# Altium PCB P-MT3620RDB-1-7.PcbDoc (part 1 of 4) (continued)
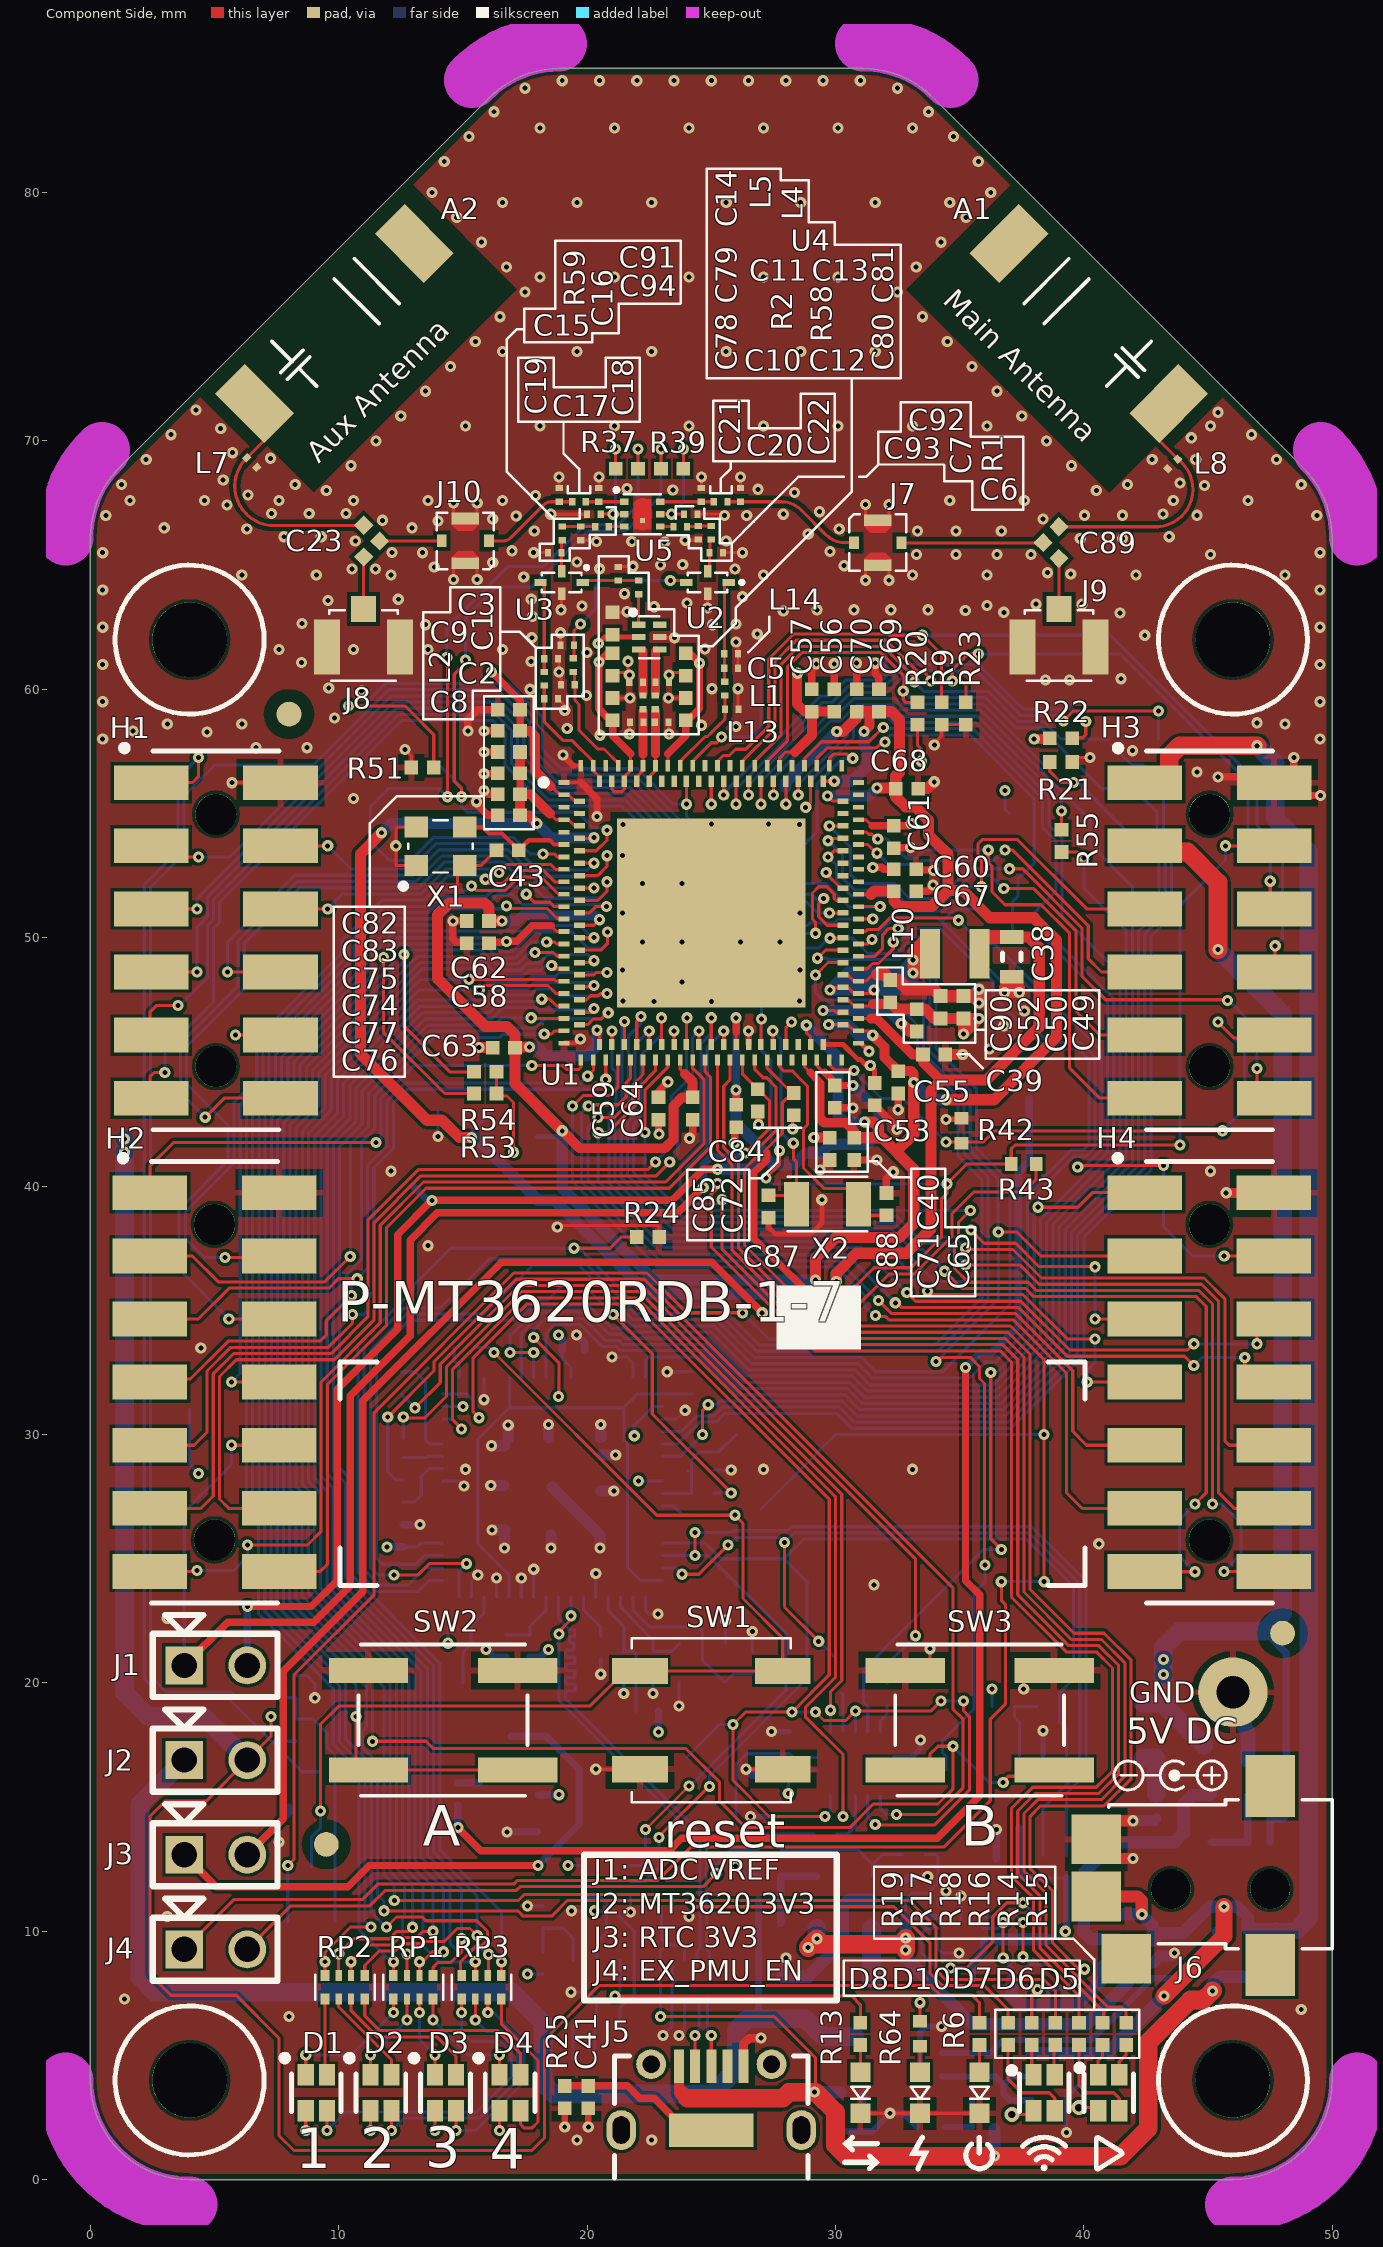
[diagram p0: Component Side view]
## Footprints (in the part's own frame and the unit in brackets; to place one, negate y for a bottom-side part, rotate by r counter-clockwise, add the part's x,y. Pads: shape width x height; smd on the part's side, far side on the other; paste and mask are expansions set on the pad) (continued)
TSM-106-01-L-DV-A [mm]
  round 1.65 hole 1.65 unplated: 0(-5.069,0.057) 0(5.091,0.057)
  rect 1.4x3 smd: 1(-6.339,-2.543) 2(-6.339,2.657) 3(-3.799,-2.543) 4(-3.799,2.657) 5(-1.259,-2.543) 6(-1.259,2.657) 7(1.281,-2.543) 8(1.281,2.657) 9(3.821,-2.543) 10(3.821,2.657) 11(6.361,-2.543) 12(6.361,2.657)
  silkscreen extent -7.86,-3.75 7.63,2.6, body extent -7.99,-4.29 7.78,4.4, height 1.27
TSM-107-01-L-DV-A [mm]
  round 1.65 hole 1.65 unplated: 0(-7.62,0) 0(5.08,0)
  rect 1.4x3 smd: 1(-8.89,-2.6) 2(-8.89,2.6) 3(-6.35,-2.6) 4(-6.35,2.6) 5(-3.81,-2.6) 6(-3.81,2.6) 7(-1.27,-2.6) 8(-1.27,2.6) 9(1.27,-2.6) 10(1.27,2.6) 11(3.81,-2.6) 12(3.81,2.6) 13(6.35,-2.6) 14(6.35,2.6)
  silkscreen extent -10.41,-3.81 7.62,2.54, body extent -10.54,-4.34 7.77,4.34, height 1.27
"TXC 8Z" [mm] "2.5x2.0mm SMD xtal"
  rect 1x0.9 smd: 1(-0.925,-0.775) 2(0.925,-0.775) 3(0.925,0.775) 4(-0.925,0.775)
  silkscreen extent -1.25,-1 1.2,1, body extent -1.53,-1.33 1.53,1.33, height 1.27
U.FL-R-SMT-1(10) [mm] "UFL Connector"
  rect 1x1.05 smd: 1(0,-1.525)
  rect 1.05x2.2 smd: 2(-1.475,0) 3(1.475,0)
  silkscreen extent -1.37,-1.47 1.37,1.35, body extent -2.23,-2.23 2.23,1.4, height 1.27
VISHAY-0603 [mm]
  rect 0.8x0.8 smd: 1(-0.8,0) 2(0.8,0)
  body extent -1.3,-0.53 1.3,0.53, height 1.27
VISHAY_SOT-323 [mm]
  rect 0.56x0.65 smd: 1(-0.62,-0.95) 2(0.62,-0.95) 3(0,0.95)
  silkscreen extent -1.4,-1.3 1.1,0.7
W3006 [mm]
  rect 1.7x2.8 smd: 1(4.55,0) 2(-4.55,0)
  silkscreen extent -2.41,-1.27 2.92,1.27, body extent -5.55,-1.63 5.55,1.63, height 1.27

## Part data
1 2 3 4 5 6 7 8 9 10 11 12 13 14 15 16 17 18 19 20 21 22 23 24 25 26 27 28 29 30 31 32 33 34 35 36 37 38 39 40 41: "Test Point"
A1 A2: "W3006 Chip Antenna", Frequency (Center/Band)="2.4GHz, 5.5GHz", Frequency Group="UHF (2 GHz ~ 3 GHz), SHF (f > 4 GHz)", Frequency Range="2.4GHz ~ 2.483GHz, 5.15GHz ~ 5.85GHz", Manufacturer="Pulse Electronics Corporation", Power - Max=-, Supplier Part Number 1=553-1673-2-ND, Antenna Type=Chip, Applications="WLAN, Zigbee™", Category="RF/IF and RFID", ComponentLink1Description=http://productfinder.pulseeng.com/products/datasheets/W3006.pdf, ComponentLink1URL=http://productfinder.pulseeng.com/products/datasheets/W3006.pdf, Features=-, Gain="3.2dBi, 4.2dBi", Height (Max)="0.059\" (1.50mm)", Ingress Protection=-, Manufacturer Part Number=W3006, Mounting Type="Surface Mount", NoThermalRelief=ture, Number of Bands=2, Packaging="Tape & Reel (TR)", Part Status=Active, Pricing 1="1000=0.72505, 2000=0.67505, 5000=0.65004, 10000=0.62504 (GBP)", Return Loss="-8dB, -10dB", RoHS="RoHS Compliant", Stock 1=2000, Supplier 1=Digi-Key, Termination=Solder, VSWR=-
B1: "SMT CR2032 coin cell holder", Manufacturer=HARWIN, Manufacturer Part Number=S8421-45R, Operating Temperature="-40°C ~ 105°C", Supplier Part Number 1=2115305, Accessory Type="Coin Cell Holder", Battery Cell Size="Coin, 20.0mm", Battery Holder Mount=SMD, Battery Series=2032, Battery Sizes Accepted=20, Battery Terminals="Pressure Contact", Battery Type, Function="Coin Cell, Holder", Category="Battery Products", ComponentLink1Description=http://www.harwin.com/include/downloads/drawings/S8421R.PDF, ComponentLink1URL=http://www.harwin.com/include/downloads/drawings/S8421R.PDF, ComponentLink2Description=http://harwin.com/includes/pdfs/S8421R.pdf, ComponentLink2URL=http://harwin.com/includes/pdfs/S8421R.pdf, For Use With="CR2032 Coin Cell Batteries", Height Above Board="0.185\" (4.70mm)", Mounting Type="PCB, Surface Mount", No. of Batteries=1, Number of Cells=1, Pricing 1="1=1.45, 10=1.19, 25=0.98, 50=0.89, 100=0.78 (GBP)", Pricing 2="1=0.69, 10=0.619, 50=0.5498, 100=0.4811, 250=0.43988 (GBP)", RoHS=YES, Stock 1=522, Stock 2=3868, Style="Holder (Open)", Supplier 1=Farnell, Supplier 2=Digi-Key, Supplier Part Number 2=952-1737-1-ND, SVHC="No SVHC (20-Jun-2013)", Termination Style="SMD (SMT) Tab"
C1: library part GJM0335C1E8R2CB01D, "CAP CER 8.2PF 25V NP0 0201", Case/Package=0201, Case Code (Metric)=0603, Dielectric=C0G, Manufacturer=Murata, Max Operating Temperature=125°C, Min Operating Temperature=-55°C, Package Quantity=15000, Supplier Part Number 1=490-14540-1-ND, Voltage Rating=25V, Capacitance=8.2pF, Case Code (Imperial)=0201, ComponentLink1Description="http://www.mouser.com/ds/2/281/Murata GJM Series-1186094.pdf", ComponentLink1URL="http://www.mouser.com/ds/2/281/Murata GJM Series-1186094.pdf", Height=0.3mm, Length=0.024inch, Manufacturer Part Number=GJM0335C1E8R2CB01D, Mount="Surface Mount", Packaging="Tape and Reel", Pricing 1="1=0.1, 10=0.043, 100=0.0192, 500=0.0137, 1000=0.0108, 2500=0.0098, 5000=0.009 (USD)", Stock 1=3138, Supplier 1=Digi-Key, Termination=SMD/SMT, Thickness=0.013inch, Voltage Rating (DC)=25V, Weight=1.2E-05oz, Width=0.3mm
C2 C3 C6 C7 C8 C9 C18 C19 C21 C22: library part "1.2pF 0201 25V", "CAP CER 1.2PF 25V C0G 0201", Manufacturer="TDK Corporation", Manufacturer Part Number=C0603C0G1E1R2B, Operating Temperature="-55°C ~ 125°C", Package / Case="0201 (0603 Metric)", Ratings=-, Supplier Part Number 1=445-4594-1-ND, Temperature Coefficient="C0G, NP0", Tolerance=±0.1pF, Voltage - Rated=25V, Applications="General Purpose", Capacitance=1.2pF, Category=Capacitors, ComponentLink1Description=http://media.digikey.com/pdf/Data%20Sheets/TDK%20PDFs/C_Series_GeneralAppl_B11.pdf, ComponentLink1URL=http://media.digikey.com/pdf/Data%20Sheets/TDK%20PDFs/C_Series_GeneralAppl_B11.pdf, Features=-, Height - Seated (Max)=-, Lead Spacing=-, Lead Style=-, Mounting Type="Surface Mount, MLCC", NoThermalRelief=true, Packaging="Cut Tape (CT)", Pricing 1="1=0.07, 10=0.022, 100=0.0101, 250=0.00828, 500=0.00708, 1000=0.00552, 5000=0.0046 (GBP)", RoHS="RoHS Compliant", Size / Dimension="0.024\" L x 0.012\" W (0.60mm x 0.30mm)", Stock 1=891, Supplier 1=Digi-Key, Thickness (Max)="0.013\" (0.33mm)"
C4 C26: library part "33pF 0402 C0G, NP0 50V", "CAP CER 33PF 50V 5% NP0 0402", Manufacturer="TDK Corporation", Manufacturer Part Number=C1005C0G1H330J050BA, Operating Temperature="-55°C ~ 125°C", Package / Case="0402 (1005 Metric)", Ratings=-, Supplier Part Number 1=445-1241-2-ND, Temperature Coefficient="C0G, NP0", Tolerance=±5%, Voltage - Rated=50V, Applications="General Purpose", Capacitance=33pF, Category=Capacitors, ComponentLink1Description=http://product.tdk.com/en/catalog/datasheets/mlcc_commercial_general_en.pdf, ComponentLink1URL=http://product.tdk.com/en/catalog/datasheets/mlcc_commercial_general_en.pdf, Features=-, Height - Seated (Max)=-, Lead Spacing=-, Lead Style=-, Mounting Type="Surface Mount, MLCC", Packaging="Tape & Reel (TR)", Pricing 1=0.00274, RoHS="RoHS Compliant", Size / Dimension="0.039\" L x 0.020\" W (1.00mm x 0.50mm)", Stock 1=47833, Supplier 1=Digi-Key, Thickness (Max)="0.022\" (0.55mm)"
C5: library part "3.3pF 0201 25V", "Cap Ceramic 3.3pF 25V C0G 0.25pF SMD 0201 125C T/R", Case/Package=0201, Case Code (Metric)=0603, Dielectric=C0G, Manufacturer=TDK, Manufacturer Part Number=CGA1A2C0G1E3R3C030BA, Max Operating Temperature=125°C, Min Operating Temperature=-55°C, Package Quantity=1, Supplier Part Number 1=445-9045-6-ND, Voltage Rating=25V, Capacitance=3.3pF, Case Code (Imperial)=0201, ComponentLink1Description=https://datasheet.ciiva.com/24220/cga1a2c0g1e3r3c030ba-272998-24220339.pdf, ComponentLink1URL=https://datasheet.ciiva.com/24220/cga1a2c0g1e3r3c030ba-272998-24220339.pdf, Composition=Ceramic, Depth=0.3mm, Height=0.3mm, Length=0.6mm, Mount="Surface Mount", NoThermalRelief=true, Packaging="Tape and Reel", Pricing 1="1=0.12, 10=0.088, 100=0.0413, 500=0.029, 1000=0.024, 2500=0.0223, 5000=0.0204 (USD)", Stock 1=1636, Supplier 1=Digi-Key, Termination=SMD/SMT, Thickness=0.013inch, Voltage Rating (DC)=25V, Weight=6E-06oz, Width=0.012inch
C10 C12: library part "2.7pF 0201 25V", "CAP CER 2.7PF 25V C0G 0201", Manufacturer=TDK, Manufacturer Part Number=C0603C0G1E2R7B, Operating Temperature="-55°C ~ 125°C", Package / Case="0201 (0603 Metric)", Ratings=-, Standard Package=1, Supplier Part Number 1=445-4610-1-ND, Temperature Coefficient="C0G, NP0", Tolerance=±0.1pF, Voltage - Rated=25V, Applications="General Purpose", Capacitance=2.7pF, Catalog Drawings="C SERIES_0201", Category=Capacitors, ComponentLink1Description=https://datasheet.ciiva.com/26869/getdatasheetpartid-496273-26869685.pdf, ComponentLink1URL=https://datasheet.ciiva.com/26869/getdatasheetpartid-496273-26869685.pdf, ComponentLink2Description=https://datasheet.ciiva.com/5410/general-b11-5410742.pdf, ComponentLink2URL=https://datasheet.ciiva.com/5410/general-b11-5410742.pdf, ComponentLink3Description=https://datasheet.ciiva.com/130/c-series-generalappl-b11-130943.pdf, ComponentLink3URL=https://datasheet.ciiva.com/130/c-series-generalappl-b11-130943.pdf, ComponentLink4Description=https://datasheet.ciiva.com/130/c-series-generalappl-b11-130945.pdf, ComponentLink4URL=https://datasheet.ciiva.com/130/c-series-generalappl-b11-130945.pdf, ComponentLink5Description=https://datasheet.ciiva.com/130/c-series-generalappl-b11-130944.pdf, ComponentLink5URL=https://datasheet.ciiva.com/130/c-series-generalappl-b11-130944.pdf, Family="Ceramic Capacitors", Features=-, Height - Seated (Max)=-, Kits="SAMPLE KIT 1009-ND  - KIT CAP CER RF .2PF-10PF 445-9011-KIT-ND  - KIT CAP CER RF .2PF-10PF SMD", Lead Spacing=-, Lead Style=-, Mounting Type="Surface Mount, MLCC", NoThermalRelief=true, Other Names=445-4610-1, Packaging="Cut Tape (CT)", Pricing 1="1=0.1, 10=0.038, 100=0.0168, 500=0.012, 1000=0.0094, 2500=0.0086, 5000=0.0079 (USD)", Series=C, Size / Dimension="0.024\" L x 0.012\" W (0.60mm x 0.30mm)", Stock 1=16566, Supplier 1=Digikey, Thickness (Max)="0.013\" (0.33mm)"
C11 C13: library part GJM0335C1E1R8CB01D, "CAP CER 1.8PF 25V NP0 0201", Case/Package=0201, Case Code (Metric)=0603, Dielectric=C0G, Manufacturer=Murata, Max Operating Temperature=125°C, Min Operating Temperature=-55°C, Package Quantity=1, Supplier Part Number 1=490-3059-1-ND, Voltage Rating=25V, Capacitance=1.8pF, Case Code (Imperial)=0201, ComponentLink1Description=https://datasheet.ciiva.com/11615/product-11615586.pdf, ComponentLink1URL=https://datasheet.ciiva.com/11615/product-11615586.pdf, ComponentLink2Description=https://datasheet.ciiva.com/133/partnumbering-e-01-133454.pdf, ComponentLink2URL=https://datasheet.ciiva.com/133/partnumbering-e-01-133454.pdf, ComponentLink3Description=https://datasheet.ciiva.com/133/partnumbering-e-01-133455.pdf, ComponentLink3URL=https://datasheet.ciiva.com/133/partnumbering-e-01-133455.pdf, ComponentLink4Description=https://datasheet.ciiva.com/17453/product-17453450.pdf, ComponentLink4URL=https://datasheet.ciiva.com/17453/product-17453450.pdf, ComponentLink5Description=https://datasheet.ciiva.com/133/partnumbering-e-01-133453.pdf, ComponentLink5URL=https://datasheet.ciiva.com/133/partnumbering-e-01-133453.pdf, Depth=0.3mm, Height=0.3mm, Lead Free="Lead Free", Length=0.6mm, Manufacturer Part Number=GJM0335C1E1R8CB01D, Mount="Surface Mount", Packaging="Tape and Reel", Pricing 1="1=0.1, 10=0.043, 100=0.0192, 500=0.0137, 1000=0.0108, 2500=0.0098, 5000=0.009 (USD)", Radiation Hardening=No, Stock 1=87034, Supplier 1=Digi-Key, Termination=SMD/SMT, Thickness=0.013inch, Voltage Rating (DC)=25V, Width=0.012inch
C14: library part "100pF 0402 C0G, NP0 50V", "CAP CER 100PF 50V 5% NP0 0402", Manufacturer="TDK Corporation", Manufacturer Part Number=C1005C0G1H101J050BA, Operating Temperature="-55°C ~ 125°C", Package / Case="0402 (1005 Metric)", Ratings=-, Supplier Part Number 1=445-1247-2-ND, Temperature Coefficient="C0G, NP0", Tolerance=±5%, Voltage - Rated=50V, Applications="General Purpose", Capacitance=100pF, Category=Capacitors, ComponentLink1Description=http://product.tdk.com/en/catalog/datasheets/mlcc_commercial_general_en.pdf, ComponentLink1URL=http://product.tdk.com/en/catalog/datasheets/mlcc_commercial_general_en.pdf, Features=-, Height - Seated (Max)=-, Lead Spacing=-, Lead Style=-, Mounting Type="Surface Mount, MLCC", NoThermalRelief=true, Packaging="Tape & Reel (TR)", Pricing 1=0.00233, RoHS="RoHS Compliant", Size / Dimension="0.039\" L x 0.020\" W (1.00mm x 0.50mm)", Stock 1=47833, Supplier 1=Digi-Key, Thickness (Max)="0.022\" (0.55mm)"
C15 C16: library part "0.3pF 0201 25V", "CAP CER 0.3PF 25V C0G 0201", Capacitance=0.30pF, Manufacturer="TDK Corporation", Manufacturer Part Number=C0603C0G1E0R3B, Operating Temperature="-55°C ~ 125°C", Package / Case="0201 (0603 Metric)", Ratings=-, Supplier Part Number 1=445-7205-1-ND, Temperature Coefficient="C0G, NP0", Tolerance=±0.1pF, Voltage - Rated=25V, Applications="General Purpose", Category=Capacitors, ComponentLink1Description=http://media.digikey.com/pdf/Data%20Sheets/TDK%20PDFs/C_Series_GeneralAppl_B11.pdf, ComponentLink1URL=http://media.digikey.com/pdf/Data%20Sheets/TDK%20PDFs/C_Series_GeneralAppl_B11.pdf, Features=-, Height - Seated (Max)=-, Lead Spacing=-, Lead Style=-, Mounting Type="Surface Mount, MLCC", NoThermalRelief=true, Packaging="Cut Tape (CT)", Pricing 1="1=0.07, 10=0.03, 100=0.0139, 250=0.01132, 500=0.0097, 1000=0.00756, 5000=0.0063 (GBP)", RoHS="RoHS Compliant", Size / Dimension="0.024\" L x 0.012\" W (0.60mm x 0.30mm)", Stock 1=19260, Supplier 1=Digi-Key, Thickness (Max)="0.013\" (0.33mm)"
C17 C20 C91 C92 C93 C94: library part "10pF 0201 25V", "CAP CER 10PF 25V C0G 0201", Manufacturer="TDK Corporation", Manufacturer Part Number=C0603C0G1E100D030BA, Operating Temperature="-55°C ~ 125°C", Package / Case="0201 (0603 Metric)", Ratings=-, Supplier Part Number 1=445-4651-6-ND, Temperature Coefficient="C0G, NP0", Tolerance=±0.5pF, Voltage - Rated=25V, Applications="General Purpose", Capacitance=10pF, Category=Capacitors, ComponentLink1Description=https://product.tdk.com/info/en/catalog/datasheets/mlcc_commercial_general_en.pdf, ComponentLink1URL=https://product.tdk.com/info/en/catalog/datasheets/mlcc_commercial_general_en.pdf, Features="Low ESL", Height - Seated (Max)=-, Lead Spacing=-, Lead Style=-, Mounting Type="Surface Mount, MLCC", NoThermalRelief=true, Packaging=Digi-Reel®, Pricing 1="1=0.07, 10=0.03, 100=0.0139, 250=0.01132, 500=0.0097, 1000=0.00756, 5000=0.0063 (GBP)", RoHS="RoHS Compliant", Size / Dimension="0.024\" L x 0.012\" W (0.60mm x 0.30mm)", Stock 1=331754, Supplier 1=Digi-Key, Thickness (Max)="0.013\" (0.33mm)"
C23 C89: library part "10pF 0402 C0G, NP0 50V_1", "CAP CER 10PF 50V NP0 0402 - Three-way pads", Manufacturer="TDK Corporation", Manufacturer Part Number=C1005C0G1H100D050BA, Operating Temperature="-55°C ~ 125°C", Package / Case="0402 (1005 Metric)", Ratings=-, Supplier Part Number 1=445-1235-2-ND, Temperature Coefficient="C0G, NP0", Tolerance=±0.5pF, Voltage - Rated=50V, Applications="General Purpose", Capacitance=10pF, Category=Capacitors, ComponentLink1Description=http://product.tdk.com/en/catalog/datasheets/mlcc_commercial_general_en.pdf, ComponentLink1URL=http://product.tdk.com/en/catalog/datasheets/mlcc_commercial_general_en.pdf, Features=-, Height - Seated (Max)=-, Lead Spacing=-, Lead Style=-, Mounting Type="Surface Mount, MLCC", NoThermalRelief=true, Packaging="Tape & Reel (TR)", Pricing 1=0.00274, RoHS="RoHS Compliant", Size / Dimension="0.039\" L x 0.020\" W (1.00mm x 0.50mm)", Stock 1=47833, Supplier 1=Digi-Key, Thickness (Max)="0.022\" (0.55mm)"
C24 C42 C74 C97: library part "4.7µF 0402 X5R 10V", "CAP CER 4.7UF 10V 10% X5R 0402", Manufacturer="TDK Corporation", Manufacturer Part Number=C1005X5R1A475K050BC, Operating Temperature="-55°C ~ 125°C", Package / Case="0402 (1005 Metric)", Ratings=-, Supplier Part Number 1=445-13820-2-ND, Temperature Coefficient=X5R, Tolerance=±10%, Voltage - Rated=10V, Applications="General Purpose", Capacitance=4.7µF, Category=Capacitors, ComponentLink1Description=http://product.tdk.com/en/catalog/datasheets/mlcc_commercial_general_en.pdf, ComponentLink1URL=http://product.tdk.com/en/catalog/datasheets/mlcc_commercial_general_en.pdf, Features=-, Height - Seated (Max)=-, Lead Spacing=-, Lead Style=-, Mounting Type="Surface Mount, MLCC", Packaging="Tape & Reel (TR)", Pricing 1=0.06265, RoHS="RoHS Compliant", Size / Dimension="0.039\" L x 0.020\" W (1.00mm x 0.50mm)", Stock 1=47833, Supplier 1=Digi-Key, Thickness (Max)="0.022\" (0.55mm)"
C25 C38: library part "10µF 0603 X5R 25V", "CAP CER 10UF 25V 20% X5R 0603", Manufacturer="TDK Corporation", Manufacturer Part Number=C1608X5R1E106M080AC, Operating Temperature="-55°C ~ 125°C", Package / Case="0603 (1608 Metric)", Ratings=-, Supplier Part Number 1=445-9015-2-ND, Temperature Coefficient=X5R, Tolerance=±20%, Voltage - Rated=25V, Applications="General Purpose", Capacitance=10µF, Category=Capacitors, ComponentLink1Description=http://product.tdk.com/en/catalog/datasheets/mlcc_commercial_general_en.pdf, ComponentLink1URL=http://product.tdk.com/en/catalog/datasheets/mlcc_commercial_general_en.pdf, Features=-, Height - Seated (Max)=-, Lead Spacing=-, Lead Style=-, Mounting Type="Surface Mount, MLCC", Packaging="Tape & Reel (TR)", Pricing 1=0.00754, RoHS="RoHS Compliant", Size / Dimension="0.063\" L x 0.031\" W (1.60mm x 0.80mm)", Stock 1=47833, Supplier 1=Digi-Key, Thickness (Max)="0.039\" (1.00mm)"
C27: library part "33uF 0805 X5R 6.3V", "CAP CER 33UF 6.3V X5R 0805", Case/Package=0805, Case Code (Metric)=2012, Dielectric=X5R, Dielectric Material=Ceramic, Manufacturer=TDK, Manufacturer Part Number=C2012X5R0J336M125AC, Max Operating Temperature=85°C, Min Operating Temperature=-55°C, Package Quantity=1, Supplier Part Number 1=445-5986-6-ND, Tolerance=20%, Voltage Rating=6.3V, Capacitance=33uF, Case Code (Imperial)=0805, ComponentLink1Description=https://datasheet.ciiva.com/24217/c2012x5r0j336m125ac-265107-24217265.pdf, ComponentLink1URL=https://datasheet.ciiva.com/24217/c2012x5r0j336m125ac-265107-24217265.pdf, ComponentLink2Description=https://datasheet.ciiva.com/17487/e412-c-17487404.pdf, ComponentLink2URL=https://datasheet.ciiva.com/17487/e412-c-17487404.pdf, ComponentLink3Description=https://datasheet.ciiva.com/6285/tdkmlcccaprange-6285867.pdf, ComponentLink3URL=https://datasheet.ciiva.com/6285/tdkmlcccaprange-6285867.pdf, ComponentLink4Description=https://datasheet.ciiva.com/6285/tdkmlcccaprange-6285863.pdf, ComponentLink4URL=https://datasheet.ciiva.com/6285/tdkmlcccaprange-6285863.pdf, Composition=Ceramic, Depth=1.25mm, Height=1.25mm, Lead Free="Lead Free", Length=2mm, Mount="Surface Mount", Packaging="Tape and Reel", Pricing 1="1=0.87, 10=0.658, 100=0.4706, 500=0.3643, 1000=0.3137 (USD)", Radiation Hardening=No, REACH SVHC="No SVHC", Stock 1=11984, Supplier 1=Digi-Key, Termination=SMD/SMT, Thickness=0.057inch, Voltage Rating (DC)=6.3V, Weight=0.000194oz, Width=1.2mm
C28: library part "33uF 0805 X5R 6.3V", "CAP CER 33UF 6.3V X5R 0805", Case Code (Imperial)=0805, Case Code (Metric)=2012, Dielectric=X5R, Dielectric Material=Ceramic, Manufacturer=TDK, Manufacturer Part Number=C2012X5R0J336M125AC, Max Operating Temperature=85°C, Min Operating Temperature=-55°C, Package Quantity=1, Supplier Part Number 1=445-5986-6-ND, Tolerance=20%, Voltage Rating=6.3V, Capacitance=33uF, Case/Package=0805, ComponentLink1Description=https://datasheet.ciiva.com/24217/c2012x5r0j336m125ac-265107-24217265.pdf, ComponentLink1URL=https://datasheet.ciiva.com/24217/c2012x5r0j336m125ac-265107-24217265.pdf, ComponentLink2Description=https://datasheet.ciiva.com/17487/e412-c-17487404.pdf, ComponentLink2URL=https://datasheet.ciiva.com/17487/e412-c-17487404.pdf, ComponentLink3Description=https://datasheet.ciiva.com/6285/tdkmlcccaprange-6285867.pdf, ComponentLink3URL=https://datasheet.ciiva.com/6285/tdkmlcccaprange-6285867.pdf, ComponentLink4Description=https://datasheet.ciiva.com/6285/tdkmlcccaprange-6285863.pdf, ComponentLink4URL=https://datasheet.ciiva.com/6285/tdkmlcccaprange-6285863.pdf, Composition=Ceramic, Depth=1.25mm, Height=1.25mm, Lead Free="Lead Free", Length=2mm, Mount="Surface Mount", Packaging="Tape and Reel", Pricing 1="1=0.87, 10=0.658, 100=0.4706, 500=0.3643, 1000=0.3137 (USD)", Radiation Hardening=No, REACH SVHC="No SVHC", Stock 1=11984, Supplier 1=Digi-Key, Termination=SMD/SMT, Thickness=0.057inch, Voltage Rating (DC)=6.3V, Weight=0.000194oz, Width=1.2mm
C33 C36 C37 C44 C45 C46 C48 C52 C56 C57 C58 C59 C60 C61 C71 C72 C85 C86: library part "0.1µF 0402 X7R 50V", "CAP CER 0.1UF 50V 10% X7R 0402", Manufacturer="TDK Corporation", Manufacturer Part Number=C1005X7R1H104K050BB, Operating Temperature="-55°C ~ 125°C", Package / Case="0402 (1005 Metric)", Ratings=-, Supplier Part Number 1=445-5932-2-ND, Temperature Coefficient=X7R, Tolerance=±10%, Voltage - Rated=50V, Applications="General Purpose", Capacitance=0.1µF, Category=Capacitors, ComponentLink1Description=http://product.tdk.com/en/catalog/datasheets/mlcc_commercial_general_en.pdf, ComponentLink1URL=http://product.tdk.com/en/catalog/datasheets/mlcc_commercial_general_en.pdf, Features=-, Height - Seated (Max)=-, Lead Spacing=-, Lead Style=-, Mounting Type="Surface Mount, MLCC", Packaging="Tape & Reel (TR)", Pricing 1=0.01305, RoHS="RoHS Compliant", Size / Dimension="0.039\" L x 0.020\" W (1.00mm x 0.50mm)", Stock 1=47833, Supplier 1=Digi-Key, Thickness (Max)="0.022\" (0.55mm)"
C34 C35 C75 C77 C78 C80 C82: library part "10pF 0402 C0G, NP0 50V", "CAP CER 10PF 50V NP0 0402", Manufacturer="TDK Corporation", Manufacturer Part Number=C1005C0G1H100D050BA, Operating Temperature="-55°C ~ 125°C", Package / Case="0402 (1005 Metric)", Ratings=-, Supplier Part Number 1=445-1235-2-ND, Temperature Coefficient="C0G, NP0", Tolerance=±0.5pF, Voltage - Rated=50V, Applications="General Purpose", Capacitance=10pF, Category=Capacitors, ComponentLink1Description=http://product.tdk.com/en/catalog/datasheets/mlcc_commercial_general_en.pdf, ComponentLink1URL=http://product.tdk.com/en/catalog/datasheets/mlcc_commercial_general_en.pdf, Features=-, Height - Seated (Max)=-, Lead Spacing=-, Lead Style=-, Mounting Type="Surface Mount, MLCC", Packaging="Tape & Reel (TR)", Pricing 1=0.00274, RoHS="RoHS Compliant", Size / Dimension="0.039\" L x 0.020\" W (1.00mm x 0.50mm)", Stock 1=47833, Supplier 1=Digi-Key, Thickness (Max)="0.022\" (0.55mm)"
C39 C40 C65 C84 C90 C95: library part "1.0µF 0402 X5R 35V", "CAP CER 1UF 35V 10% X5R 0402", Manufacturer="TDK Corporation", Manufacturer Part Number=C1005X5R1V105K050BC, Operating Temperature="-55°C ~ 125°C", Package / Case="0402 (1005 Metric)", Ratings=-, Supplier Part Number 1=445-9073-2-ND, Temperature Coefficient=X5R, Tolerance=±10%, Voltage - Rated=35V, Applications="General Purpose", Capacitance=1.0µF, Category=Capacitors, ComponentLink1Description=http://product.tdk.com/en/catalog/datasheets/mlcc_commercial_general_en.pdf, ComponentLink1URL=http://product.tdk.com/en/catalog/datasheets/mlcc_commercial_general_en.pdf, Features=-, Height - Seated (Max)=-, Lead Spacing=-, Lead Style=-, Mounting Type="Surface Mount, MLCC", Packaging="Tape & Reel (TR)", Pricing 1=0.0186, RoHS="RoHS Compliant", Size / Dimension="0.039\" L x 0.020\" W (1.00mm x 0.50mm)", Stock 1=47833, Supplier 1=Digi-Key, Thickness (Max)="0.022\" (0.55mm)"
C41: library part "22pF 0402 C0G, NP0 50V", "CAP CER 22PF 50V 5% NP0 0402", Manufacturer="TDK Corporation", Manufacturer Part Number=C1005C0G1H220J050BA, Operating Temperature="-55°C ~ 125°C", Package / Case="0402 (1005 Metric)", Ratings=-, Supplier Part Number 1=445-1239-2-ND, Temperature Coefficient="C0G, NP0", Tolerance=±5%, Voltage - Rated=50V, Applications="General Purpose", Capacitance=22pF, Category=Capacitors, ComponentLink1Description=http://product.tdk.com/en/catalog/datasheets/mlcc_commercial_general_en.pdf, ComponentLink1URL=http://product.tdk.com/en/catalog/datasheets/mlcc_commercial_general_en.pdf, Features=-, Height - Seated (Max)=-, Lead Spacing=-, Lead Style=-, Mounting Type="Surface Mount, MLCC", Packaging="Tape & Reel (TR)", Pricing 1=0.00274, RoHS="RoHS Compliant", Size / Dimension="0.039\" L x 0.020\" W (1.00mm x 0.50mm)", Stock 1=47833, Supplier 1=Digi-Key, Thickness (Max)="0.022\" (0.55mm)"
C43: library part "2.0pF 0402 C0G, NP0 50V", "CAP CER 2PF 50V NP0 0402", Manufacturer="TDK Corporation", Manufacturer Part Number=C1005C0G1H020C050BA, Operating Temperature="-55°C ~ 125°C", Package / Case="0402 (1005 Metric)", Ratings=-, Supplier Part Number 1=445-4863-2-ND, Temperature Coefficient="C0G, NP0", Tolerance=±0.25pF, Voltage - Rated=50V, Applications="General Purpose", Capacitance=2.0pF, Category=Capacitors, ComponentLink1Description=http://product.tdk.com/en/catalog/datasheets/mlcc_commercial_general_en.pdf, ComponentLink1URL=http://product.tdk.com/en/catalog/datasheets/mlcc_commercial_general_en.pdf, Features=-, Height - Seated (Max)=-, Lead Spacing=-, Lead Style=-, Mounting Type="Surface Mount, MLCC", Packaging="Tape & Reel (TR)", Pricing 1=0.00302, RoHS="RoHS Compliant", Size / Dimension="0.039\" L x 0.020\" W (1.00mm x 0.50mm)", Stock 1=47833, Supplier 1=Digi-Key, Thickness (Max)="0.022\" (0.55mm)"
C49 C50 C53: library part "10µF 0402 X5R 6.3V", "CAP CER 10UF 6.3V 20% X5R 0402", Manufacturer="TDK Corporation", Manufacturer Part Number=C1005X5R0J106M050BC, Operating Temperature="-55°C ~ 125°C", Package / Case="0402 (1005 Metric)", Ratings=-, Supplier Part Number 1=445-8920-2-ND, Temperature Coefficient=X5R, Tolerance=±20%, Voltage - Rated=6.3V, Applications="General Purpose", Capacitance=10µF, Category=Capacitors, ComponentLink1Description=http://product.tdk.com/en/catalog/datasheets/mlcc_commercial_general_en.pdf, ComponentLink1URL=http://product.tdk.com/en/catalog/datasheets/mlcc_commercial_general_en.pdf, Features=-, Height - Seated (Max)=-, Lead Spacing=-, Lead Style=-, Mounting Type="Surface Mount, MLCC", Packaging="Tape & Reel (TR)", Pricing 1=0.07766, RoHS="RoHS Compliant", Size / Dimension="0.039\" L x 0.020\" W (1.00mm x 0.50mm)", Stock 1=47833, Supplier 1=Digi-Key, Thickness (Max)="0.020\" (0.50mm)"
C55 C76 C79 C81 C83: library part "2.2µF 0402 X5R 35V", "CAP CER 2.2UF 35V 10% X5R 0402", Manufacturer="TDK Corporation", Manufacturer Part Number=C1005X5R1V225K050BC, Operating Temperature="-55°C ~ 125°C", Package / Case="0402 (1005 Metric)", Ratings=-, Supplier Part Number 1=445-9028-2-ND, Temperature Coefficient=X5R, Tolerance=±10%, Voltage - Rated=35V, Applications="General Purpose", Capacitance=2.2µF, Category=Capacitors, ComponentLink1Description=http://product.tdk.com/en/catalog/datasheets/mlcc_commercial_general_en.pdf, ComponentLink1URL=http://product.tdk.com/en/catalog/datasheets/mlcc_commercial_general_en.pdf, Features=-, Height - Seated (Max)=-, Lead Spacing=-, Lead Style=-, Mounting Type="Surface Mount, MLCC", Packaging="Tape & Reel (TR)", Pricing 1=0.04177, RoHS="RoHS Compliant", Size / Dimension="0.039\" L x 0.020\" W (1.00mm x 0.50mm)", Stock 1=47833, Supplier 1=Digi-Key, Thickness (Max)="0.022\" (0.55mm)"
C62 C63 C64 C67 C68 C69 C70: library part "0.47µF 0402 X5R 35V", "CAP CER 0.47UF 35V 10% X5R 0402", Manufacturer="TDK Corporation", Manufacturer Part Number=C1005X5R1V474K050BC, Operating Temperature="-55°C ~ 125°C", Package / Case="0402 (1005 Metric)", Ratings=-, Supplier Part Number 1=445-13864-2-ND, Temperature Coefficient=X5R, Tolerance=±10%, Voltage - Rated=35V, Applications="General Purpose", Capacitance=0.47µF, Category=Capacitors, ComponentLink1Description=http://product.tdk.com/en/catalog/datasheets/mlcc_commercial_general_en.pdf, ComponentLink1URL=http://product.tdk.com/en/catalog/datasheets/mlcc_commercial_general_en.pdf, Features=-, Height - Seated (Max)=-, Lead Spacing=-, Lead Style=-, Mounting Type="Surface Mount, MLCC", Packaging="Tape & Reel (TR)", Pricing 1=0.01762, RoHS="RoHS Compliant", Size / Dimension="0.039\" L x 0.020\" W (1.00mm x 0.50mm)", Stock 1=47833, Supplier 1=Digi-Key, Thickness (Max)="0.022\" (0.55mm)"
C87 C88: library part "15pF 0402 C0G, NP0 50V", "CAP CER 15PF 50V 5% NP0 0402", Manufacturer="TDK Corporation", Manufacturer Part Number=C1005C0G1H150J050BA, Operating Temperature="-55°C ~ 125°C", Package / Case="0402 (1005 Metric)", Ratings=-, Supplier Part Number 1=445-1237-2-ND, Temperature Coefficient="C0G, NP0", Tolerance=±5%, Voltage - Rated=50V, Applications="General Purpose", Capacitance=15pF, Category=Capacitors, ComponentLink1Description=http://product.tdk.com/en/catalog/datasheets/mlcc_commercial_general_en.pdf, ComponentLink1URL=http://product.tdk.com/en/catalog/datasheets/mlcc_commercial_general_en.pdf, Features=-, Height - Seated (Max)=-, Lead Spacing=-, Lead Style=-, Mounting Type="Surface Mount, MLCC", Packaging="Tape & Reel (TR)", Pricing 1=0.00274, RoHS="RoHS Compliant", Size / Dimension="0.039\" L x 0.020\" W (1.00mm x 0.50mm)", Stock 1=47833, Supplier 1=Digi-Key, Thickness (Max)="0.022\" (0.55mm)"
C96: library part "10000pF 0402 X7R 50V", "CAP CER 10000PF 50V 10% X7R 0402", Manufacturer="TDK Corporation", Manufacturer Part Number=C1005X7R1H103K050BB, Operating Temperature="-55°C ~ 125°C", Package / Case="0402 (1005 Metric)", Ratings=-, Supplier Part Number 1=445-6850-2-ND, Temperature Coefficient=X7R, Tolerance=±10%, Voltage - Rated=50V, Applications="General Purpose", Capacitance=10000pF, Category=Capacitors, ComponentLink1Description=http://product.tdk.com/en/catalog/datasheets/mlcc_commercial_general_en.pdf, ComponentLink1URL=http://product.tdk.com/en/catalog/datasheets/mlcc_commercial_general_en.pdf, Features=-, Height - Seated (Max)=-, Lead Spacing=-, Lead Style=-, Mounting Type="Surface Mount, MLCC", Packaging="Tape & Reel (TR)", Pricing 1=0.00685, RoHS="RoHS Compliant", Size / Dimension="0.039\" L x 0.020\" W (1.00mm x 0.50mm)", Stock 1=47833, Supplier 1=Digi-Key, Thickness (Max)="0.022\" (0.55mm)"